# KiCad board PC110.kicad_pcb (continued)
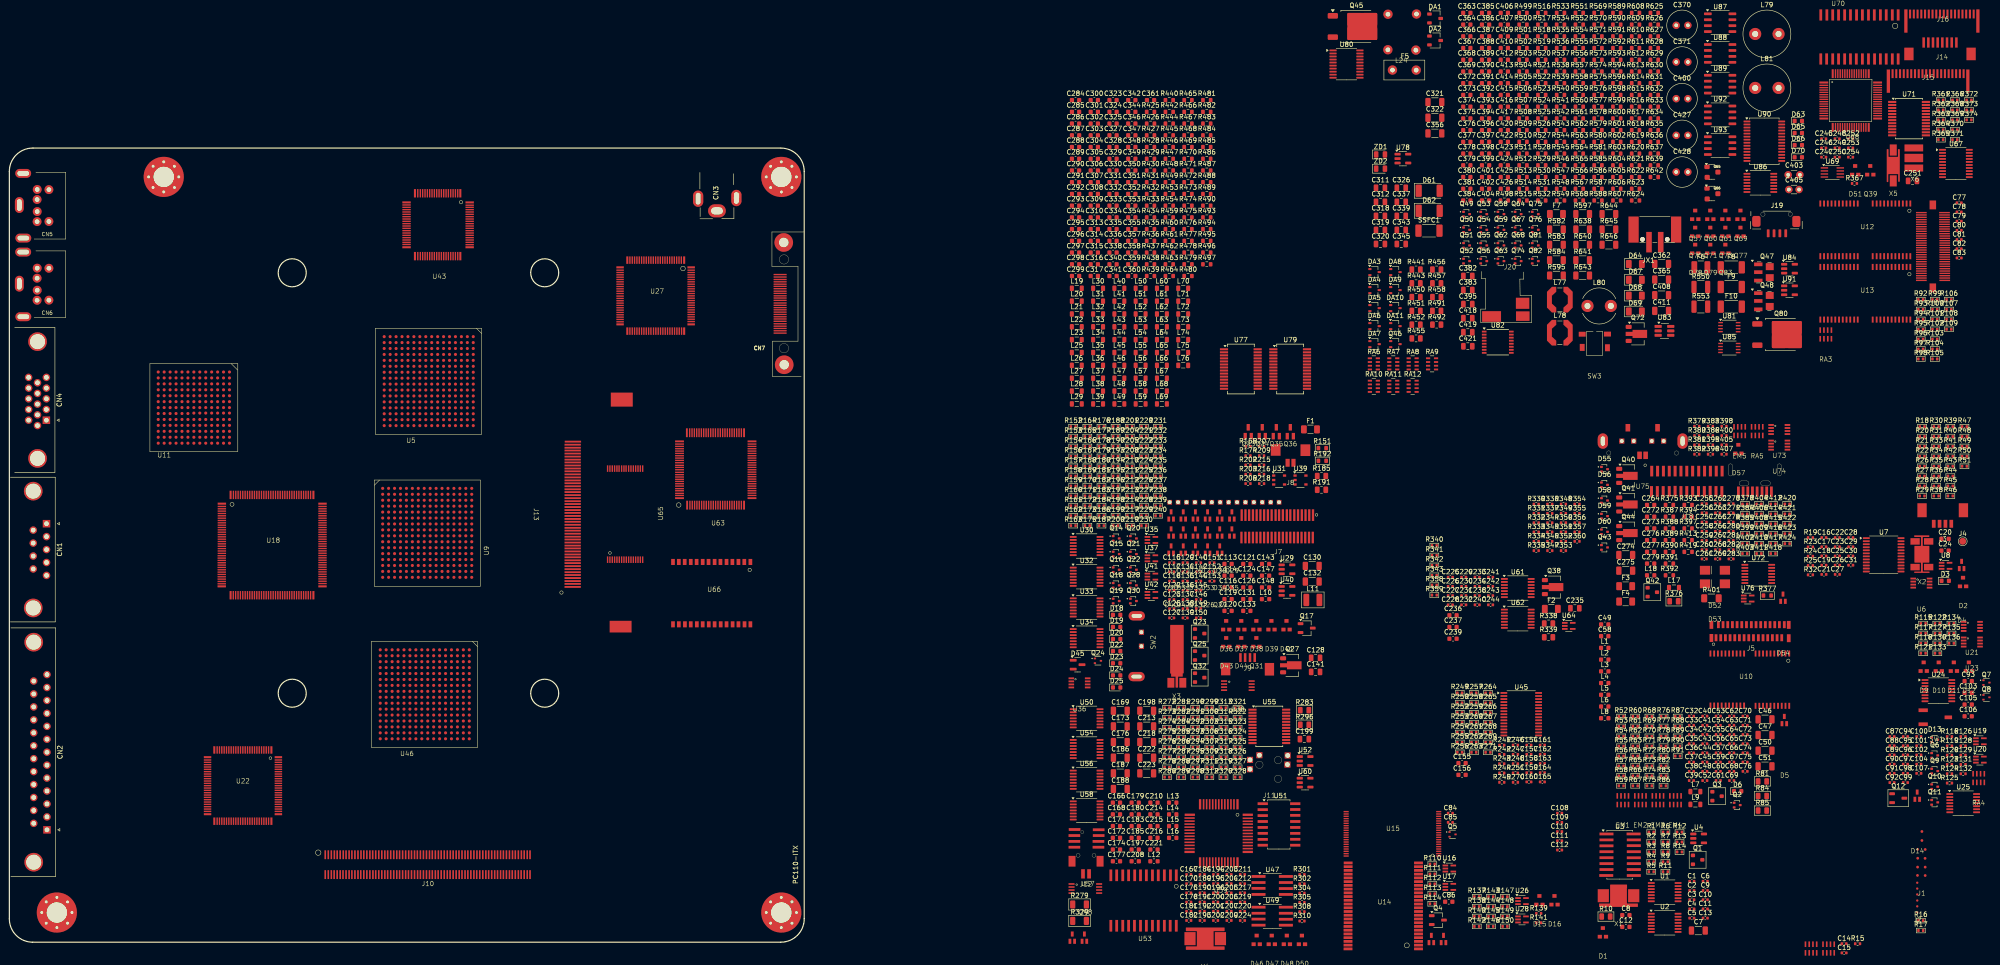
[diagram p0: board, top side]
## Placement (name value [footprint] x y rotation side) (continued)
R267  10k  [R_0402_1005Metric]  316.23 47.01 0 top
R268  47k  [R_0402_1005Metric]  316.23 44.89 0 top
R269  10k  [R_0402_1005Metric]  316.23 42.77 0 top
R270  47k  [R_0402_1005Metric]  322.11 34.22 0 top
R271  10k  [R_0402_1005Metric]  316.23 40.65 0 top
R272  470k  [R_0402_1005Metric]  247.58 50.17 0 top
R273  470k  [R_0402_1005Metric]  247.58 48.05 0 top
R274  2.2k  [R_0402_1005Metric]  247.58 45.93 0 top
R275  100k  [R_0402_1005Metric]  247.58 43.81 0 top
R276  2.2k  [R_0402_1005Metric]  247.58 41.69 0 top
R277  1k  [R_0402_1005Metric]  247.58 39.57 0 top
R278  1k  [R_0402_1005Metric]  247.58 37.45 0 top
R279  56  [R_1206_3216Metric]  228.88 8.08 0 top
R280  0  [R_0402_1005Metric]  247.58 35.33 0 top
R281  10k  [R_0402_1005Metric]  250.6 50.17 0 top
R282  2.2k  [R_0402_1005Metric]  250.6 48.05 0 top
R283  100  [R_0805_2012Metric]  277 49.67 0 top
R284  10k  [R_0402_1005Metric]  250.6 45.93 0 top
R285  0  [R_0402_1005Metric]  250.6 43.81 0 top
R286  10k  [R_0402_1005Metric]  250.6 41.69 0 top
R287  10k  [R_0402_1005Metric]  250.6 39.57 0 top
R288  10k  [R_0402_1005Metric]  250.6 37.45 0 top
R289  100k  [R_0402_1005Metric]  250.6 35.33 0 top
R290  470k  [R_0402_1005Metric]  253.62 50.17 0 top
R291  470k  [R_0402_1005Metric]  253.62 48.05 0 top
R292  2.2k  [R_0402_1005Metric]  253.62 45.93 0 top
R293  100k  [R_0402_1005Metric]  253.62 43.81 0 top
R294  10k  [R_0402_1005Metric]  253.62 41.69 0 top
R295  0  [R_0402_1005Metric]  253.62 39.57 0 top
R296  0  [R_0805_2012Metric]  277 46.55 0 top
R297  0  [R_0402_1005Metric]  253.62 37.45 0 top
R298  47  [R_0402_1005Metric]  253.62 35.33 0 top
R299  470k  [R_0402_1005Metric]  256.64 50.17 0 top
R300  470k  [R_0402_1005Metric]  256.64 48.05 0 top
R301  470k  [R_0402_1005Metric]  276.47 14.48 0 top
R302  470k  [R_0402_1005Metric]  276.47 12.49 0 top
R303  0  [R_0402_1005Metric]  256.64 45.93 0 top
R304  470k  [R_0402_1005Metric]  276.47 10.5 0 top
R305  0  [R_0402_1005Metric]  276.47 8.51 0 top
R306  4.7k  [R_0402_1005Metric]  256.64 43.81 0 top
R307  10k  [R_0402_1005Metric]  256.64 41.69 0 top
R308  470k  [R_0402_1005Metric]  276.47 6.52 0 top
R309  100k  [R_0402_1005Metric]  256.64 39.57 0 top
R310  DNP  [R_0402_1005Metric]  276.47 4.53 0 top
R311  DNP  [R_0402_1005Metric]  256.64 37.45 0 top  (not fitted)
R312  100k  [R_0402_1005Metric]  256.64 35.33 0 top
R313  DNP  [R_0402_1005Metric]  259.66 50.17 0 top  (not fitted)
R314  DNP  [R_0402_1005Metric]  259.66 48.05 0 top  (not fitted)
R315  DNP  [R_0402_1005Metric]  259.66 45.93 0 top  (not fitted)
R316  100k  [R_0402_1005Metric]  259.66 43.81 0 top
R317  DNP  [R_0402_1005Metric]  259.66 41.69 0 top  (not fitted)
R318  1k  [R_0402_1005Metric]  259.66 39.57 0 top
R319  DNP  [R_0402_1005Metric]  259.66 37.45 0 top  (not fitted)
R320  DNP  [R_0402_1005Metric]  259.66 35.33 0 top  (not fitted)
R321  DNP  [R_0402_1005Metric]  262.69 50.17 0 top  (not fitted)
R322  0  [R_0402_1005Metric]  262.69 48.05 0 top
R323  0  [R_0402_1005Metric]  262.69 45.93 0 top
R324  0  [R_0402_1005Metric]  262.69 43.81 0 top
R325  6.8k  [R_0402_1005Metric]  262.69 41.69 0 top
R326  6.8k  [R_0402_1005Metric]  262.69 39.57 0 top
R327  DNP  [R_0402_1005Metric]  262.69 37.45 0 top
R328  470k  [R_0402_1005Metric]  262.69 35.33 0 top
R329  120  [R_1206_3216Metric]  228.88 4.56 0 top
R330  4.7k  [R_0402_1005Metric]  326.56 93.77 0 top
R331  4.7k  [R_0402_1005Metric]  326.56 91.78 0 top
R332  4.7k  [R_0402_1005Metric]  326.56 89.79 0 top
R333  4.7k  [R_0402_1005Metric]  326.56 87.8 0 top
R334  4.7k  [R_0402_1005Metric]  326.56 85.81 0 top
R335  4.7k  [R_0402_1005Metric]  326.56 83.82 0 top
R336  4.7k  [R_0402_1005Metric]  329.47 93.77 0 top
R337  4.7k  [R_0402_1005Metric]  329.47 91.78 0 top
R338  DNP  [R_0805_2012Metric]  329.19 68.23 0 top
R339  0  [R_0805_2012Metric]  329.19 65.28 0 top
R340  470k  [R_0402_1005Metric]  304.76 84.91 0 top
R341  DNP  [R_0402_1005Metric]  304.76 82.79 0 top  (not fitted)
R342  470k  [R_0402_1005Metric]  304.76 80.67 0 top
R343  DNP  [R_0402_1005Metric]  304.76 78.55 0 top
R344  10k  [R_0402_1005Metric]  329.47 89.79 0 top
R345  470k  [R_0402_1005Metric]  329.47 87.8 0 top
R346  0  [R_0402_1005Metric]  329.47 85.81 0 top
R347  0  [R_0402_1005Metric]  329.47 83.82 0 top
R348  470k  [R_0402_1005Metric]  332.38 93.77 0 top
R349  0  [R_0402_1005Metric]  332.38 91.78 0 top
R350  DNP  [R_0402_1005Metric]  332.38 89.79 0 top
R351  DNP  [R_0402_1005Metric]  332.38 87.8 0 top
R352  22k  [R_0402_1005Metric]  332.38 85.81 0 top
R353  0  [R_0402_1005Metric]  332.38 83.82 0 top
R354  DNP  [R_0402_1005Metric]  335.29 93.77 0 top
R355  DNP  [R_0402_1005Metric]  335.29 91.78 0 top
R356  2k  [R_0402_1005Metric]  335.29 89.79 0 top
R357  2k  [R_0402_1005Metric]  335.29 87.8 0 top
R358  10k  [R_0402_1005Metric]  304.76 76.43 0 top
R359  DNP  [R_0402_1005Metric]  304.76 74.31 0 top  (not fitted)
R360  1.5k  [R_0402_1005Metric]  335.29 85.81 0 top
R361  100k  [R_0402_1005Metric]  413.07 180.27 0 top
R362  100k  [R_0402_1005Metric]  413.07 178.15 0 top
R363  100k  [R_0402_1005Metric]  413.07 176.03 0 top
R364  100k  [R_0402_1005Metric]  413.07 173.91 0 top
R365  47k  [R_0402_1005Metric]  413.07 171.79 0 top
R366  47k  [R_0402_1005Metric]  416.09 180.27 0 top
R367  100k  [R_0402_1005Metric]  394.62 162.42 0 top
R368  DNP  [R_0402_1005Metric]  416.09 178.15 0 top  (not fitted)
R369  10k  [R_0402_1005Metric]  416.09 176.03 0 top
R370  10k  [R_0402_1005Metric]  416.09 173.91 0 top
R371  DNP  [R_0402_1005Metric]  416.09 171.79 0 top  (not fitted)
R372  47k  [R_0402_1005Metric]  419.11 180.27 0 top
R373  47k  [R_0402_1005Metric]  419.11 178.15 0 top
R374  47k  [R_0402_1005Metric]  419.11 176.03 0 top
R375  0  [R_0603_1608Metric]  355.04 93.6 0 top
R376  0  [R_0805_2012Metric]  356 72.98 0 top
R377  0  [R_0603_1608Metric]  375.97 74.21 0 top
R378  470k  [R_0402_1005Metric]  371.18 93.8 0 top
R379  470k  [R_0402_1005Metric]  360.91 110.43 0 top
R380  470k  [R_0402_1005Metric]  360.91 108.44 0 top
R381  1.2k  [R_0402_1005Metric]  360.91 106.45 0 top
R382  470k  [R_0402_1005Metric]  360.91 104.46 0 top
R383  470k  [R_0402_1005Metric]  363.82 110.43 0 top
R384  470k  [R_0402_1005Metric]  371.18 91.68 0 top
R385  470k  [R_0402_1005Metric]  371.18 89.56 0 top
R386  470k  [R_0402_1005Metric]  363.82 108.44 0 top
R387  0  [R_0603_1608Metric]  355.04 91.09 0 top
R388  0  [R_0603_1608Metric]  355.04 88.58 0 top
R389  0  [R_0603_1608Metric]  355.04 86.07 0 top
R390  0  [R_0603_1608Metric]  355.04 83.56 0 top
R391  0  [R_0603_1608Metric]  355.04 81.05 0 top
R392  0  [R_0603_1608Metric]  355.04 78.54 0 top
R393  0  [R_0603_1608Metric]  359.05 93.6 0 top
R394  0  [R_0603_1608Metric]  359.05 91.09 0 top
R395  22k  [R_0402_1005Metric]  363.82 106.45 0 top
R396  220  [R_0402_1005Metric]  363.82 104.46 0 top
R397  56  [R_0603_1608Metric]  359.05 88.58 0 top
R398  220  [R_0402_1005Metric]  366.73 110.43 0 top
R399  7.5k  [R_0402_1005Metric]  371.18 87.44 0 top
R400  10k  [R_0402_1005Metric]  366.73 108.44 0 top
R401  8.2  [R_1206_3216Metric_Pad1.30x1.75mm_HandSolder]  364.03 73.62 0 top
R402  300  [R_0402_1005Metric]  371.18 85.32 0 top
R403  470k  [R_0402_1005Metric]  371.18 83.2 0 top
R404  4.7k  [R_0402_1005Metric]  374.19 93.8 0 top
R405  470k  [R_0402_1005Metric]  366.73 106.45 0 top
R406  10k  [R_0402_1005Metric]  374.19 91.68 0 top
R407  470k  [R_0402_1005Metric]  366.73 104.46 0 top
R408  470k  [R_0402_1005Metric]  374.19 89.56 0 top
R409  470k  [R_0402_1005Metric]  374.19 87.44 0 top
R410  470k  [R_0402_1005Metric]  374.19 85.32 0 top
R411  470k  [R_0402_1005Metric]  374.19 83.2 0 top
R412  470k  [R_0402_1005Metric]  377.21 93.8 0 top
R413  0  [R_0603_1608Metric]  359.05 86.07 0 top
R414  470k  [R_0402_1005Metric]  377.21 91.68 0 top
R415  470k  [R_0402_1005Metric]  377.21 89.56 0 top
R416  10k  [R_0402_1005Metric]  377.21 87.44 0 top
R417  10k  [R_0402_1005Metric]  377.21 85.32 0 top
R418  10k  [R_0402_1005Metric]  377.21 83.2 0 top
R419  0  [R_0603_1608Metric]  359.05 83.56 0 top
R420  470k  [R_0402_1005Metric]  380.23 93.8 0 top
R421  470k  [R_0402_1005Metric]  380.23 91.68 0 top
R422  470k  [R_0402_1005Metric]  380.23 89.56 0 top
R423  470k  [R_0402_1005Metric]  380.23 87.44 0 top
R424  470k  [R_0402_1005Metric]  380.23 85.32 0 top
R425  DNP  [R_0603_1608Metric]  244.07 177.75 0 top  (not fitted)
R426  0  [R_0603_1608Metric]  244.07 175.24 0 top
R427  DNP  [R_0603_1608Metric]  244.07 172.73 0 top  (not fitted)
R428  0  [R_0603_1608Metric]  244.07 170.22 0 top
R429  10  [R_0603_1608Metric]  244.07 167.71 0 top
R430  DNP  [R_0603_1608Metric]  244.07 165.2 0 top  (not fitted)
R431  0  [R_0603_1608Metric]  244.07 162.69 0 top
R432  10  [R_0603_1608Metric]  244.07 160.18 0 top
R433  DNP  [R_0603_1608Metric]  244.07 157.67 0 top  (not fitted)
R434  0  [R_0603_1608Metric]  244.07 155.16 0 top
R435  10  [R_0603_1608Metric]  244.07 152.65 0 top
R436  DNP  [R_0603_1608Metric]  244.07 150.14 0 top  (not fitted)
R437  0  [R_0603_1608Metric]  244.07 147.63 0 top
R438  10  [R_0603_1608Metric]  244.07 145.12 0 top
R439  DNP  [R_0603_1608Metric]  244.07 142.61 0 top  (not fitted)
R440  0  [R_0603_1608Metric]  248.08 180.26 0 top
R441  1k  [R_0805_2012Metric]  300.86 144 0 top
R442  10  [R_0603_1608Metric]  248.08 177.75 0 top
R443  1k  [R_0805_2012Metric]  300.86 141.05 0 top
R444  DNP  [R_0603_1608Metric]  248.08 175.24 0 top  (not fitted)
R445  0  [R_0603_1608Metric]  248.08 172.73 0 top
R446  10  [R_0603_1608Metric]  248.08 170.22 0 top
R447  DNP  [R_0603_1608Metric]  248.08 167.71 0 top  (not fitted)
R448  0  [R_0603_1608Metric]  248.08 165.2 0 top
R449  10  [R_0603_1608Metric]  248.08 162.69 0 top
R450  1k  [R_0805_2012Metric]  300.86 138.1 0 top
R451  1k  [R_0805_2012Metric]  300.86 135.15 0 top
R452  1k  [R_0805_2012Metric]  300.86 132.2 0 top
R453  10  [R_0603_1608Metric]  248.08 160.18 0 top
R454  10  [R_0603_1608Metric]  248.08 157.67 0 top
R455  0  [R_0805_2012Metric]  300.86 129.25 0 top
R456  1k  [R_0805_2012Metric]  305.27 144 0 top
R457  1k  [R_0805_2012Metric]  305.27 141.05 0 top
R458  1k  [R_0805_2012Metric]  305.27 138.1 0 top
R459  10  [R_0603_1608Metric]  248.08 155.16 0 top
R460  10  [R_0603_1608Metric]  248.08 152.65 0 top
R461  10  [R_0603_1608Metric]  248.08 150.14 0 top
R462  10  [R_0603_1608Metric]  248.08 147.63 0 top
R463  10  [R_0603_1608Metric]  248.08 145.12 0 top
R464  10  [R_0603_1608Metric]  248.08 142.61 0 top
R465  DNP  [R_0603_1608Metric]  252.09 180.26 0 top  (not fitted)
R466  0  [R_0603_1608Metric]  252.09 177.75 0 top
R467  10  [R_0603_1608Metric]  252.09 175.24 0 top
R468  0  [R_0603_1608Metric]  252.09 172.73 0 top
R469  DNP  [R_0603_1608Metric]  252.09 170.22 0 top  (not fitted)
R470  DNP  [R_0603_1608Metric]  252.09 167.71 0 top  (not fitted)
R471  10  [R_0603_1608Metric]  252.09 165.2 0 top
R472  DNP  [R_0603_1608Metric]  252.09 162.69 0 top  (not fitted)
R473  DNP  [R_0603_1608Metric]  252.09 160.18 0 top  (not fitted)
R474  DNP  [R_0603_1608Metric]  252.09 157.67 0 top  (not fitted)
R475  0  [R_0603_1608Metric]  252.09 155.16 0 top
R476  DNP  [R_0603_1608Metric]  252.09 152.65 0 top  (not fitted)
R477  0  [R_0603_1608Metric]  252.09 150.14 0 top
R478  33  [R_0603_1608Metric]  252.09 147.63 0 top
R479  33  [R_0603_1608Metric]  252.09 145.12 0 top
R480  DNP  [R_0603_1608Metric]  252.09 142.61 0 top  (not fitted)
R481  0  [R_0603_1608Metric]  256.1 180.26 0 top
R482  DNP  [R_0603_1608Metric]  256.1 177.75 0 top  (not fitted)
R483  0  [R_0603_1608Metric]  256.1 175.24 0 top
R484  470k  [R_0603_1608Metric]  256.1 172.73 0 top
R485  DNP  [R_0603_1608Metric]  256.1 170.22 0 top  (not fitted)
R486  0  [R_0603_1608Metric]  256.1 167.71 0 top
R487  DNP  [R_0603_1608Metric]  256.1 165.2 0 top  (not fitted)
R488  0  [R_0603_1608Metric]  256.1 162.69 0 top
R489  DNP  [R_0603_1608Metric]  256.1 160.18 0 top  (not fitted)
R490  0  [R_0603_1608Metric]  256.1 157.67 0 top
R491  33  [R_0805_2012Metric]  305.27 135.15 0 top
R492  33  [R_0805_2012Metric]  305.27 132.2 0 top
R493  DNP  [R_0603_1608Metric]  256.1 155.16 0 top  (not fitted)
R494  0  [R_0603_1608Metric]  256.1 152.65 0 top
R495  DNP  [R_0603_1608Metric]  256.1 150.14 0 top  (not fitted)
R496  0  [R_0603_1608Metric]  256.1 147.63 0 top
R497  470k  [R_0603_1608Metric]  256.1 145.12 0 top
R498  10k  [R_0603_1608Metric]  319.73 158.78 0 top
R499  10k  [R_0603_1608Metric]  323.74 198.94 0 top
R500  47k  [R_0603_1608Metric]  323.74 196.43 0 top
R501  2.2k  [R_0603_1608Metric]  323.74 193.92 0 top
R502  1k  [R_0603_1608Metric]  323.74 191.41 0 top
R503  220  [R_0603_1608Metric]  323.74 188.9 0 top
R504  470  [R_0603_1608Metric]  323.74 186.39 0 top
R505  120  [R_0603_1608Metric]  323.74 183.88 0 top
R506  100k  [R_0603_1608Metric]  323.74 181.37 0 top
R507  200k  [R_0603_1608Metric]  323.74 178.86 0 top
R508  10k  [R_0603_1608Metric]  323.74 176.35 0 top
R509  47k  [R_0603_1608Metric]  323.74 173.84 0 top
R510  11K  [R_0603_1608Metric]  323.74 171.33 0 top
R511  1k  [R_0603_1608Metric]  323.74 168.82 0 top
R512  1k  [R_0603_1608Metric]  323.74 166.31 0 top
R513  1k  [R_0603_1608Metric]  323.74 163.8 0 top
R514  470k  [R_0603_1608Metric]  323.74 161.29 0 top
R515  130k  [R_0603_1608Metric]  323.74 158.78 0 top
R516  15k  [R_0603_1608Metric]  327.75 198.94 0 top
R517  470k  [R_0603_1608Metric]  327.75 196.43 0 top
R518  47k  [R_0603_1608Metric]  327.75 193.92 0 top
R519  100k  [R_0603_1608Metric]  327.75 191.41 0 top
R520  100k  [R_0603_1608Metric]  327.75 188.9 0 top
R521  10k  [R_0603_1608Metric]  327.75 186.39 0 top
R522  10k  [R_0603_1608Metric]  327.75 183.88 0 top
R523  DNP  [R_0603_1608Metric]  327.75 181.37 0 top  (not fitted)
R524  10k  [R_0603_1608Metric]  327.75 178.86 0 top
R525  10k  [R_0603_1608Metric]  327.75 176.35 0 top
R526  10k  [R_0603_1608Metric]  327.75 173.84 0 top
R527  10k  [R_0603_1608Metric]  327.75 171.33 0 top
R528  12k  [R_0603_1608Metric]  327.75 168.82 0 top
R529  20k  [R_0603_1608Metric]  327.75 166.31 0 top
R530  4.7k  [R_0603_1608Metric]  327.75 163.8 0 top
R531  4.7k  [R_0603_1608Metric]  327.75 161.29 0 top
R532  100  [R_0603_1608Metric]  327.75 158.78 0 top
R533  100k  [R_0603_1608Metric]  331.76 198.94 0 top
R534  4.7k  [R_0603_1608Metric]  331.76 196.43 0 top
R535  47k  [R_0603_1608Metric]  331.76 193.92 0 top
R536  20k  [R_0603_1608Metric]  331.76 191.41 0 top
R537  DNP  [R_0603_1608Metric]  331.76 188.9 0 top
R538  1k  [R_0603_1608Metric]  331.76 186.39 0 top
R539  4.7k  [R_0603_1608Metric]  331.76 183.88 0 top
R540  10k  [R_0603_1608Metric]  331.76 181.37 0 top
R541  10k  [R_0603_1608Metric]  331.76 178.86 0 top
R542  10k  [R_0603_1608Metric]  331.76 176.35 0 top
R543  1M  [R_0603_1608Metric]  331.76 173.84 0 top
R544  200k  [R_0603_1608Metric]  331.76 171.33 0 top
R545  10k  [R_0603_1608Metric]  331.76 168.82 0 top
R546  20k  [R_0603_1608Metric]  331.76 166.31 0 top
R547  47k  [R_0603_1608Metric]  331.76 163.8 0 top
R548  100k  [R_0603_1608Metric]  331.76 161.29 0 top
R549  100k  [R_0603_1608Metric]  331.76 158.78 0 top
R550  0.1  [R_1210_3225Metric]  361.76 140.26 0 top
R551  33  [R_0603_1608Metric]  335.77 198.94 0 top
R552  100k  [R_0603_1608Metric]  335.77 196.43 0 top
R553  0.1  [R_1210_3225Metric]  361.76 136.05 0 top
R554  300k  [R_0603_1608Metric]  335.77 193.92 0 top
R555  470k  [R_0603_1608Metric]  335.77 191.41 0 top
R556  300k  [R_0603_1608Metric]  335.77 188.9 0 top
R557  10k  [R_0603_1608Metric]  335.77 186.39 0 top
R558  470k  [R_0603_1608Metric]  335.77 183.88 0 top
R559  200k  [R_0603_1608Metric]  335.77 181.37 0 top
R560  1k  [R_0603_1608Metric]  335.77 178.86 0 top
R561  10k  [R_0603_1608Metric]  335.77 176.35 0 top
R562  470k  [R_0603_1608Metric]  335.77 173.84 0 top
R563  200k  [R_0603_1608Metric]  335.77 171.33 0 top
R564  10k  [R_0603_1608Metric]  335.77 168.82 0 top
R565  1M  [R_0603_1608Metric]  335.77 166.31 0 top
R566  470k  [R_0603_1608Metric]  335.77 163.8 0 top
R567  0  [R_0603_1608Metric]  335.77 161.29 0 top
R568  0  [R_0603_1608Metric]  335.77 158.78 0 top
R569  0  [R_0603_1608Metric]  339.78 198.94 0 top
R570  0  [R_0603_1608Metric]  339.78 196.43 0 top
R571  0  [R_0603_1608Metric]  339.78 193.92 0 top
R572  0  [R_0603_1608Metric]  339.78 191.41 0 top
R573  0  [R_0603_1608Metric]  339.78 188.9 0 top
R574  0  [R_0603_1608Metric]  339.78 186.39 0 top
R575  0  [R_0603_1608Metric]  339.78 183.88 0 top
R576  0  [R_0603_1608Metric]  339.78 181.37 0 top
R577  0  [R_0603_1608Metric]  339.78 178.86 0 top
R578  0  [R_0603_1608Metric]  339.78 176.35 0 top
R579  0  [R_0603_1608Metric]  339.78 173.84 0 top
R580  0  [R_0603_1608Metric]  339.78 171.33 0 top
R581  0  [R_0603_1608Metric]  339.78 168.82 0 top
R582  0.1  [R_1206_3216Metric]  330.88 152.59 0 top
R583  0.22  [R_1206_3216Metric]  330.88 149.3 0 top
R584  DNP  [R_1206_3216Metric]  330.88 146.01 0 top
R585  300  [R_0603_1608Metric]  339.78 166.31 0 top
R586  300k  [R_0603_1608Metric]  339.78 163.8 0 top
R587  470k  [R_0603_1608Metric]  339.78 161.29 0 top
R588  100k  [R_0603_1608Metric]  339.78 158.78 0 top
R589  300k  [R_0603_1608Metric]  343.79 198.94 0 top
R590  10k  [R_0603_1608Metric]  343.79 196.43 0 top
R591  DNP  [R_0603_1608Metric]  343.79 193.92 0 top  (not fitted)
R592  100k  [R_0603_1608Metric]  343.79 191.41 0 top
R593  1M  [R_0603_1608Metric]  343.79 188.9 0 top
R594  1M  [R_0603_1608Metric]  343.79 186.39 0 top
R595  103 (RT2)  [R_1206_3216Metric]  330.88 142.72 0 top
R596  4.7k  [R_0603_1608Metric]  343.79 183.88 0 top
R597  103 (RT1)  [R_1206_3216Metric]  336.49 155.88 0 top
R598  4.7k  [R_0603_1608Metric]  343.79 181.37 0 top
R599  200k  [R_0603_1608Metric]  343.79 178.86 0 top
R600  10k  [R_0603_1608Metric]  343.79 176.35 0 top
R601  300  [R_0603_1608Metric]  343.79 173.84 0 top
R602  0  [R_0603_1608Metric]  343.79 171.33 0 top
R603  0  [R_0603_1608Metric]  343.79 168.82 0 top
R604  0  [R_0603_1608Metric]  343.79 166.31 0 top
R605  0  [R_0603_1608Metric]  343.79 163.8 0 top
R606  0  [R_0603_1608Metric]  343.79 161.29 0 top
R607  0  [R_0603_1608Metric]  343.79 158.78 0 top
R608  0  [R_0603_1608Metric]  347.8 198.94 0 top
R609  0  [R_0603_1608Metric]  347.8 196.43 0 top
R610  0  [R_0603_1608Metric]  347.8 193.92 0 top
R611  0  [R_0603_1608Metric]  347.8 191.41 0 top
R612  0  [R_0603_1608Metric]  347.8 188.9 0 top
R613  0  [R_0603_1608Metric]  347.8 186.39 0 top
R614  0  [R_0603_1608Metric]  347.8 183.88 0 top
R615  0  [R_0603_1608Metric]  347.8 181.37 0 top
R616  0  [R_0603_1608Metric]  347.8 178.86 0 top
R617  0  [R_0603_1608Metric]  347.8 176.35 0 top
R618  7.5k  [R_0603_1608Metric]  347.8 173.84 0 top
R619  200k  [R_0603_1608Metric]  347.8 171.33 0 top
R620  DNP  [R_0603_1608Metric]  347.8 168.82 0 top
R621  DNP  [R_0603_1608Metric]  347.8 166.31 0 top
R622  7.5k  [R_0603_1608Metric]  347.8 163.8 0 top
R623  47k  [R_0603_1608Metric]  347.8 161.29 0 top
R624  10k  [R_0603_1608Metric]  347.8 158.78 0 top
R625  1k  [R_0603_1608Metric]  351.81 198.94 0 top
R626  2k  [R_0603_1608Metric]  351.81 196.43 0 top
R627  100k  [R_0603_1608Metric]  351.81 193.92 0 top
R628  100  [R_0603_1608Metric]  351.81 191.41 0 top
R629  470k  [R_0603_1608Metric]  351.81 188.9 0 top
R630  470  [R_0603_1608Metric]  351.81 186.39 0 top
R631  4.7k  [R_0603_1608Metric]  351.81 183.88 0 top
R632  0  [R_0603_1608Metric]  351.81 181.37 0 top
R633  20k  [R_0603_1608Metric]  351.81 178.86 0 top
R634  470k  [R_0603_1608Metric]  351.81 176.35 0 top
R635  1k  [R_0603_1608Metric]  351.81 173.84 0 top
R636  1.8k  [R_0603_1608Metric]  351.81 171.33 0 top
R637  100  [R_0603_1608Metric]  351.81 168.82 0 top
R638  DNP  [R_1206_3216Metric]  336.49 152.59 0 top  (not fitted)
R639  47k  [R_0603_1608Metric]  351.81 166.31 0 top
R640  0  [R_1206_3216Metric]  336.49 149.3 0 top
R641  0  [R_1206_3216Metric]  336.49 146.01 0 top
R642  100k  [R_0603_1608Metric]  351.81 163.8 0 top
R643  0.1  [R_1206_3216Metric]  336.49 142.72 0 top
R644  0.1  [R_1206_3216Metric]  342.1 155.88 0 top
R645  0.1  [R_1206_3216Metric]  342.1 152.59 0 top
R646  DNP  [R_1206_3216Metric]  342.1 149.3 0 top  (not fitted)
RA1  10k  [R-array]  385.31 -1.43 0 top
RA2  22k  [R-array]  389.06 -1.43 0 top
RA3  470k  [R-array]  388.46 130.03 0 top
RA4  47k  [R-array]  421.17 35.06 0 top
RA5  10k  [R-array]  373.78 109.33 0 top
RA6  DNP  [R_Array_Concave_4x0603]  291.83 123.8 0 top  (not fitted)
RA7  DNP  [R_Array_Concave_4x0603]  295.98 123.8 0 top  (not fitted)
RA8  47k  [R_Array_Concave_4x0603]  300.13 123.8 0 top
RA9  47k  [R_Array_Concave_4x0603]  304.28 123.8 0 top
RA10  470k  [R_Array_Concave_4x0603]  291.83 119 0 top
RA11  470k  [R_Array_Concave_4x0603]  295.98 119 0 top
RA12  47k  [R_Array_Concave_4x0603]  300.13 119 0 top
SSFC1  -  [Fuse_2010_5025Metric]  303.62 152.32 0 top
SW1  -  [LidSwitch]  412.11 48.13 0 top
SW2  -  [Switch]  241.18 63.11 0 top
SW3  -  [PSU-SW1]  339 128.2 0 top
U1  SN74LV02  [TSSOP-14_4.4x5mm_P0.65mm]  354.03 10.72 0 top
U2  SN74LVT125  [TSSOP-14_4.4x5mm_P0.65mm]  354.03 4.14 0 top
U3  AV9154A-27  [SOIC-16W]  344.43 18.72 0 top
U4  8C01  [SOT-23-5]  361.29 22.22 0 top
U5  486SX-33  [BGA-256]  89.7 120.11 0 top
U6  7W126  [sso-8]  408.94 76.9 0 top
U7  HD151015  [TSSOP-24_6.1x7.8mm_P0.65mm]  400.86 82.92 0 top
U8  EA  [SOT-353]  414.11 80.58 0 top
U9  VL82C420  [BGA-256]  89.36 87.63 90 top
U10  51W4260ATT7  [GRAMchip]  372.26 56.35 0 top
U11  CHIPS65535  [BGA-169]  39.46 114.44 0 top
U12  M5M4V16160BTP  [RAMchip]  397.34 152.65 0 top
U13  M5M4V16160BTP  [RAMchip]  397.34 139.08 0 top
U14  MSM538032E  [SOP48]  294.08 8.12 0 top
U15  28F002BX  [Flash-40]  295.9 23.85 0 top
U16  E3  [SOT-353]  307.97 15.77 0 top
U17  E4  [SOT-353]  307.97 11.84 0 top
U18  -  [Bowman]  56.42 85.53 0 top
U19  E4  [SOT-353]  421.44 43.01 0 top
U20  E8  [SOT-353]  421.44 39.08 0 top
U21  7W14  [sso-8]  419.72 67.63 0 top
U22  -  [Pluto]  49.94 34 0 top
U23  7W00  [sso-8]  419.72 64.28 0 top
U24  SN74LS123A  [TSSOP-16_4.4x5mm_P0.65mm]  412.56 53.85 0 top
U25  SN74LS74a  [TSSOP-14_4.4x5mm_P0.65mm]  417.87 29.77 0 top
U26  E4  [SOT-353]  323.51 8.8 0 top
U27  FDC37C665IR  [FDC]  138.52 138.86 0 top
U28  EA  [SOT-353]  323.51 4.87 0 top
U29  3T01  [SOT-23-5]  273.25 79.83 0 top
U30  74LVT74  [TSSOP-14_4.4x5mm_P0.65mm]  230.4 84.81 0 top
U31  3T01  [TSOP-5_1.65x3.05mm_P0.95mm]  271.57 98.94 0 top
U32  74HC14  [TSSOP-14_4.4x5mm_P0.65mm]  230.4 78.23 0 top
U33  V74  [TSSOP-14_4.4x5mm_P0.65mm]  230.4 71.66 0 top
U34  SN74HC74  [TSSOP-14_4.4x5mm_P0.65mm]  230.4 65.08 0 top
U35  E2  [SOT-353]  244.25 86.11 0 top
U36  7W14  [sso-8]  228.88 55.54 0 top
U37  EA  [SOT-353]  244.25 82.18 0 top
U38  NJM2904M  [soic-8-small]  262.75 54.95 0 top
U39  3F01  [TSOP-5_1.65x3.05mm_P0.95mm]  276.14 98.94 0 top
U40  8C01  [SOT-23-5]  273.25 75.2 0 top
U41  EA  [SOT-353]  244.25 78.26 0 top
U42  EA  [SOT-353]  244.25 74.33 0 top
U43  M38223E4HP  [QFN-80]  91.9 153.57 0 top
U44  Front LCD  [LCD]  260.06 94.18 0 top
U45  TPS2201  [TSSOP-30_6.1x9.7mm_P0.65mm]  323.34 48.8 0 top
U46  RB5C396  [BGA-256]  88.84 53.07 0 top
U47  3414A  [SOIC-8]  270.12 12.12 0 top
U48  NJM2904M  [soic-8-small]  230.12 11.51 0 top
U49  DS1669  [SOIC-8]  270.12 5.54 0 top
U50  VT74  [TSSOP-14_4.4x5mm_P0.65mm]  230.4 47.93 0 top
U51  Y3014  [SOP-16]  271.51 25.2 0 top
U52  3F01  [SOT-23-5]  277.12 38.78 0 top
U53  YM3812  [SOP-24]  242.88 9.57 0 top
U54  74LV126  [TSSOP-14_4.4x5mm_P0.65mm]  230.4 41.35 0 top
U55  HD151015  [SSOP-24_5.3x8.2mm_P0.65mm]  269.47 46.2 0 top
U56  SN74LV126  [TSSOP-14_4.4x5mm_P0.65mm]  230.4 34.78 0 top
U57  LM4861  [SOIC-8-narrow]  230.62 22.33 0 top
U58  SN74LV32  [TSSOP-14_4.4x5mm_P0.65mm]  230.4 28.2 0 top
U59  ES488F  [QFN-52]  259.06 23.28 0 top
U60  3E00  [SOT-23-5]  277.12 34.15 0 top
U61  SN74LV32  [TSSOP-14_4.4x5mm_P0.65mm]  322.61 75.82 0 top
U62  SN74LV08  [TSSOP-14_4.4x5mm_P0.65mm]  322.61 69.24 0 top
U63  SC414281PU4  [QFN-100]  151.56 101.14 0 top
U64  E4  [SOT-353]  333.52 67.71 0 top
U65  AT29LV512-12TU  [Flash-32]  132.1 91.88 90 top
U66  SDLB-4  [SanDisk]  150.83 75.02 0 top
U67  SN74LVT244B  [TSSOP-20_4.4x6.5mm_P0.65mm]  416.31 166.7 0 top
U68  M38813M4  [QFN64]  394.06 180.43 0 top
U69  SN74LVC2G32  [SSOP-8_2.95x2.8mm_P0.65mm]  389.89 164.78 0 top
U70  D17137AGT  [SSOP-28]  396.11 193.25 0 top
U71  HD151015  [SSOP-24_5.3x8.2mm_P0.65mm]  406.29 176.3 0 top
U72  SN74LVT125  [TSSOP-14_4.4x5mm_P0.65mm]  374.04 78.84 0 top
U73  7W32  [sso-8]  378.53 109.78 0 top
U74  7W126  [sso-8]  378.53 106.43 0 top
U75  HSDL-1000 X03  [IRDA]  349.31 105.73 0 top
U76  EA  [SOT-353]  371.79 73.57 0 top
U77  DS14C535MSA  [SSOP-28_5.3x10.2mm_P0.65mm]  263.38 122.7 0 top
U78  DNP  [SOT-23-5]  298.04 167.75 0 top  (not fitted)
U79  DNP (LT1237CS)  [SSOP-28_5.3x10.2mm_P0.65mm]  273.93 122.7 0 top  (not fitted)
U80  74VHCT244  [SSOP-20_4.4x6.5mm_P0.65mm]  285.97 187.98 0 top
U81  7W14  [SSOP-8-PSU]  367.84 131.66 0 top
U82  9742  [SSOP-16_4.4x5.2mm_P0.65mm]  318.33 128.44 0 top
U83  6.5 5F  [SOT-23-6_Handsoldering]  353.98 130.87 0 top
U84  TA  [SOT-23-5]  380.72 144.18 0 top
U85  5W01  [SSOP-8-PSU]  367.84 127.19 0 top
U86  7064  [TSSOP-14_4.4x5mm_P0.65mm]  374.49 162.55 0 top
U87  J421  [SOP-8_3.9x4.9mm_P1.27mm]  365.89 196.84 0 top
U88  J421  [SOP-8_3.9x4.9mm_P1.27mm]  365.89 190.26 0 top
U89  K2337  [SOP-8_3.9x4.9mm_P1.27mm]  365.89 183.68 0 top
U90  MAX786CAI  [TSSOP-28_6.1x9.7mm_P0.65mm]  375.34 171.47 0 top
U91  D9D  [SOT-23-5]  380.72 139.55 0 top
U92  2556  [SOP-8_3.9x4.9mm_P1.27mm]  365.89 177.1 0 top
U93  2556  [SOP-8_3.9x4.9mm_P1.27mm]  365.89 170.52 0 top
X1  59G3482  [XTAL-6]  344.15 9.85 0 top
X2  32768  [XTAL-3]  409.04 83.05 0 top
X3  245759  [XTAL-2]  249.66 61.09 0 top
X4  89G6821  [XTAL-1]  255.76 0.66 0 top
X5  4.00  [XTAL-5]  402.92 166.18 0 top
X6  8.00  [XTAL-4]  407.46 167.83 0 top
ZD1  18-  [D_0805_2012Metric]  293.26 168.63 0 top
ZD2  5_1  [D_0805_2012Metric]  293.26 165.59 0 top
